# Altium PCB fpga.PcbDoc (part 3 of 11)
Units mm, origin at the board's own origin, x right, y up, seen from the top; angles counter-clockwise.
Board outline 210 x 210 mm, 2 copper layers (Top Layer, Bottom Layer), stack 1.591 mm thick; 639 components, 1839 nets, 4759 pads, 4016 vias.
Unrouted connection lines stored in the file: 10.
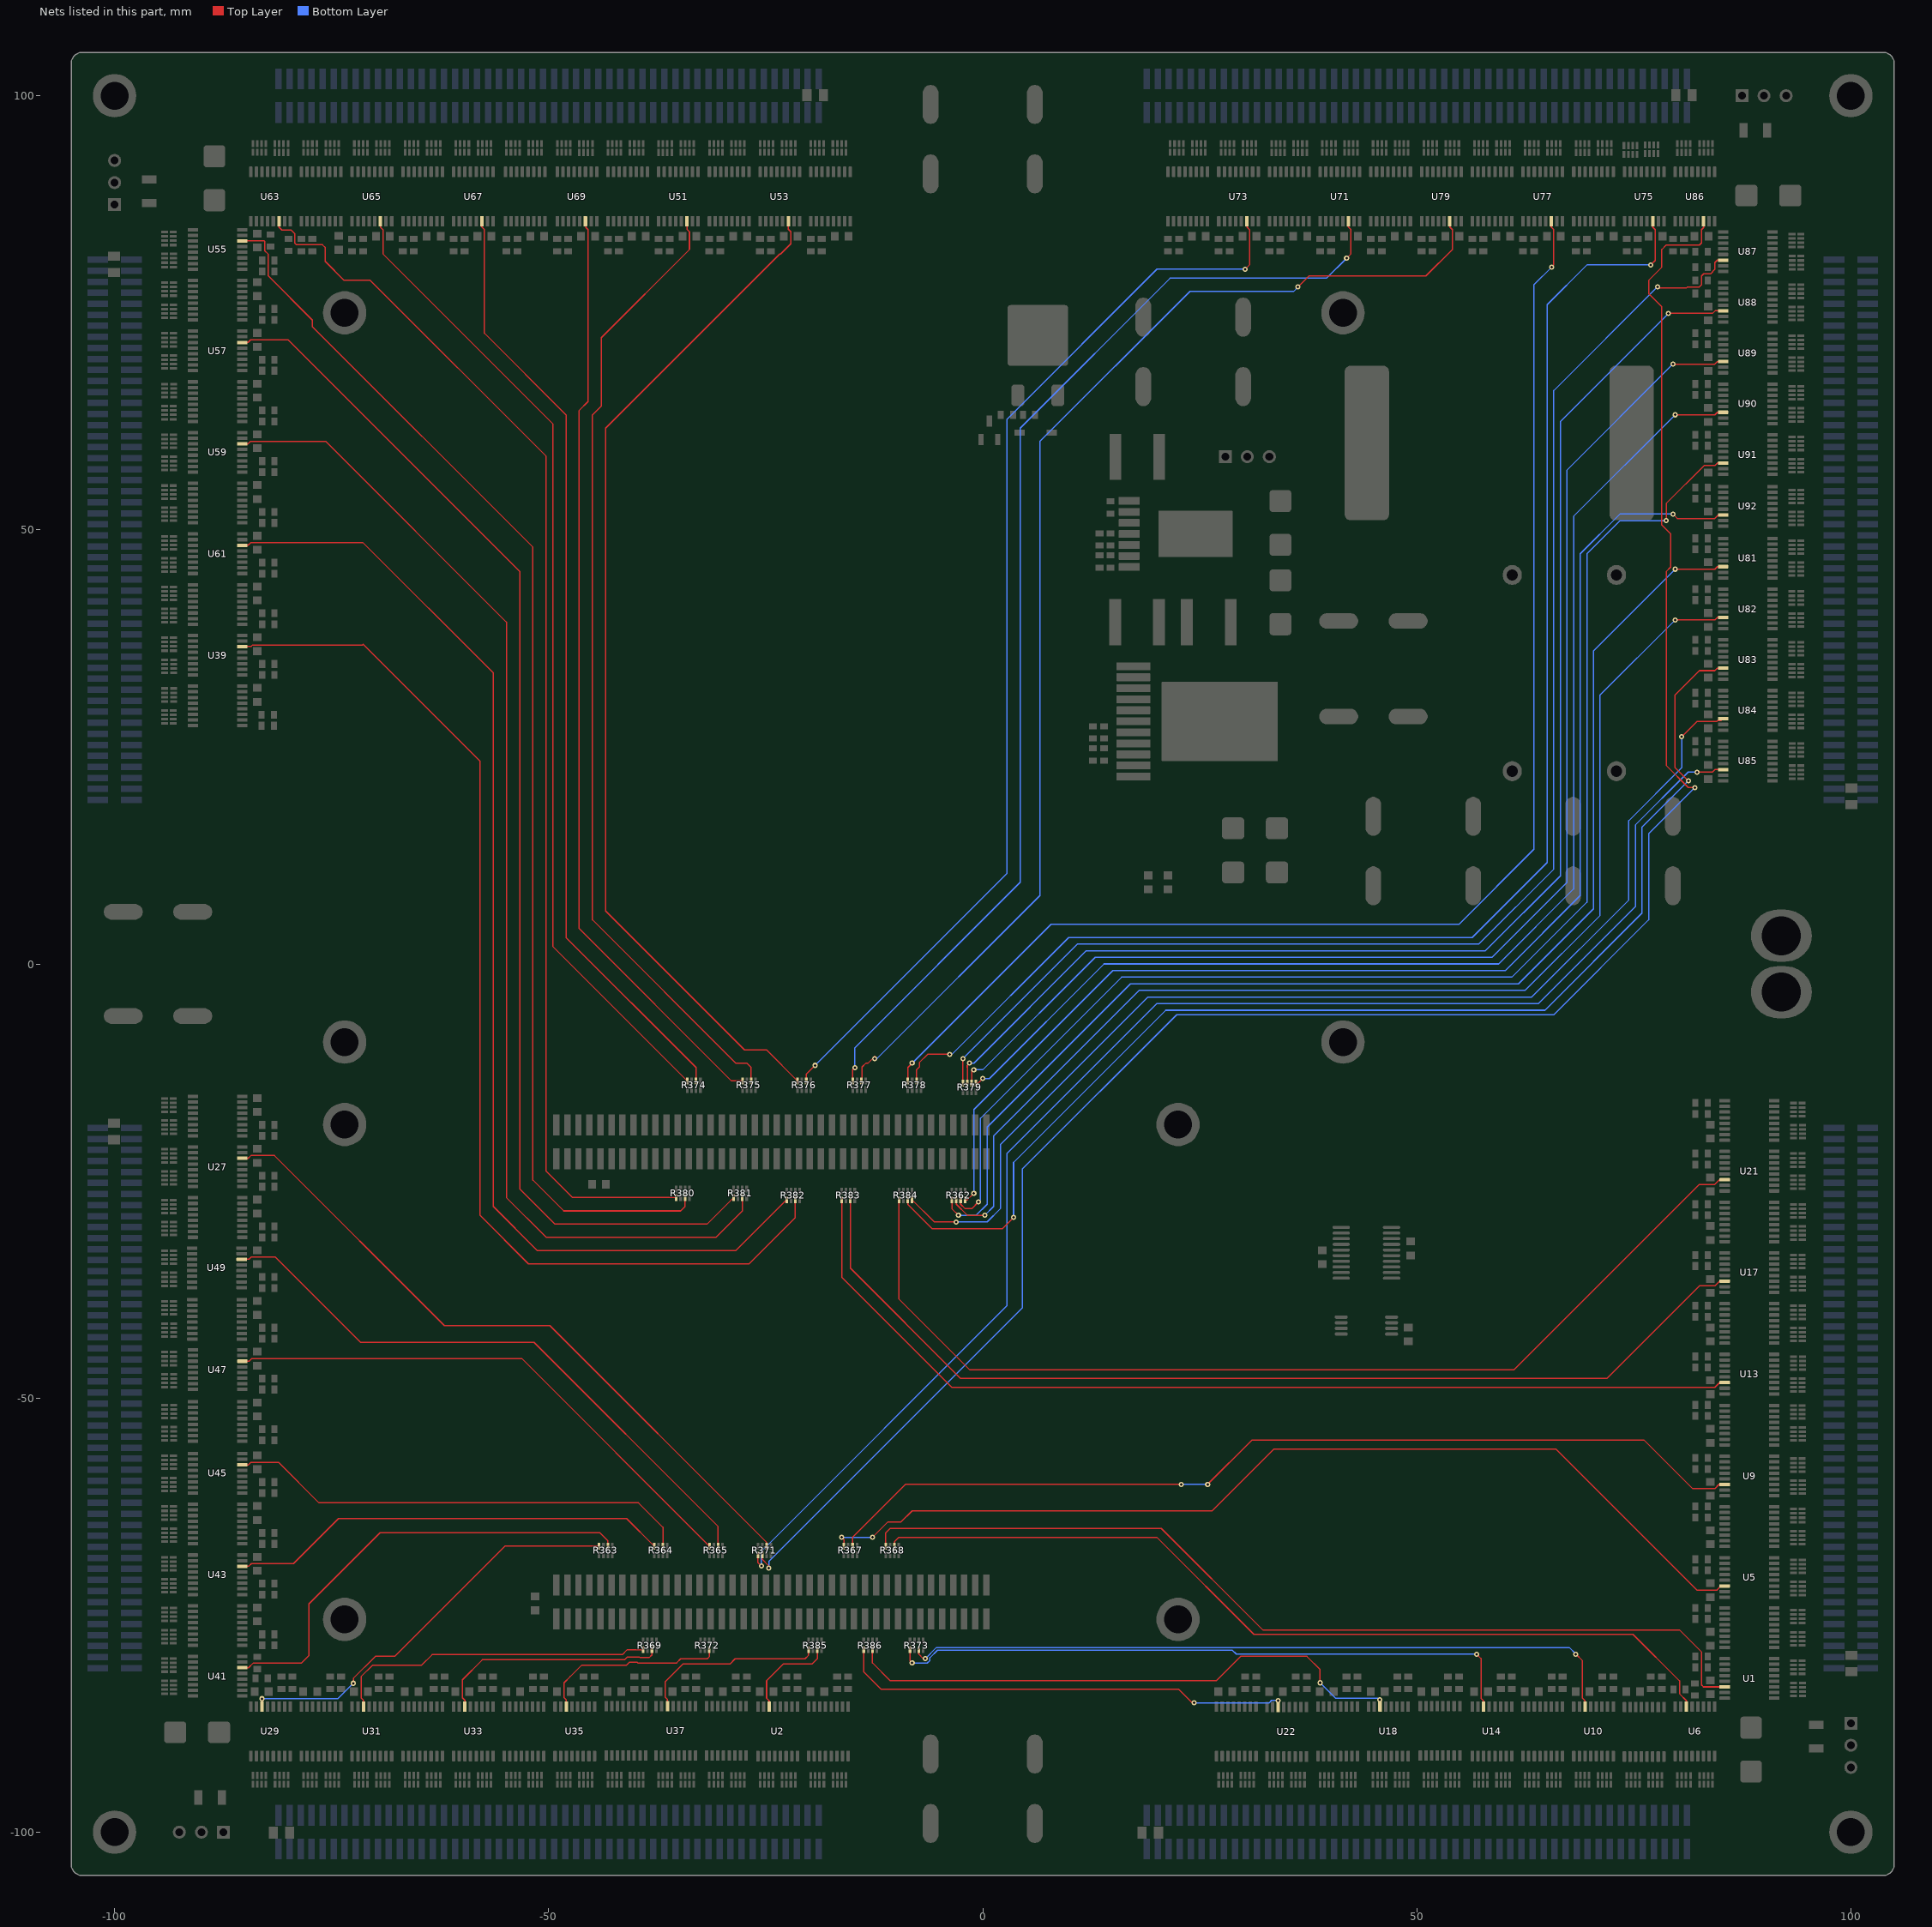
[diagram p3: the nets of this part, all layers, seen from the top]

## Via types
v1: diameter 0.6, hole 0.3, Top Layer to Bottom Layer, tented both sides, 3924 vias
v2: diameter 0.8, hole 0.4, Top Layer to Bottom Layer, tented both sides, 89 vias
v3: diameter 0.6, hole 0.3, Top Layer to Bottom Layer, 3 vias

## Nets (pads, with @x,y where several pads share a name; then routed paths per layer and width w, separated by ;. In a path a pad name is that pad's centre, name@x,y a point inside that pad or via, vN(x,y) a via of type N, cw(c..) or ccw(c..) an arc to the next point about the centre after c; other vN are vias at no path point) (continued)
D_EN40: R371.2 U86.14 | length 234.6
  Top Layer w0.15: R371.2@-25.396,-68.064 -25.396,-68.584 -24.638,-69.342 v1(-24.638,-69.596) ; v1(82.042,20.32) 81.28,20.32 78.74,22.86 78.74,45.192 79.248,45.7 79.248,49.53 78.215,50.563 78.215,51.271 78.232,51.288 78.232,75.692 76.708,77.216 76.708,78.74 78.232,80.264 78.232,82.296 78.74,82.804 81.262,82.804 81.283,82.825 81.717,82.825 81.738,82.804 82.55,82.804 82.804,83.058 82.804,84.582 83.058,84.836 83.058,85.501 U86.14@83.017,85.542
  Bottom Layer w0.15: v1(-24.638,-69.596) -24.638,-68.834 4.572,-39.624 4.572,-23.622 22.352,-5.842 65.786,-5.842 76.708,5.08 76.708,14.986 v1(82.042,20.32)
D_EN41: R384.8 U84.14 | length 130.2
  Top Layer w0.15: R384.8@-8.14,-27.17 -5.592,-29.718 v1(-3.048,-29.718) ; v1(80.518,26.162) 82.296,27.94 84.554,27.94 84.624,28.01 85.063,28.01 U84.14@85.288,28.235
  Bottom Layer w0.15: v1(-3.048,-29.718) 0.508,-29.718 2.032,-28.194 2.032,-20.828 19.05,-3.81 63.246,-3.81 74.422,7.366 74.422,16.51 80.518,22.606 v1(80.518,26.162)
D_EN42: R362.6 U82.14 | length 137.5
  Top Layer w0.15: R362.6@-3.044,-27.17 -3.044,-27.69 -1.778,-28.956 v1(0.254,-28.956) ; v1(79.756,39.624) 84.328,39.624 84.623,39.919 U82.14@85.288,39.919
  Bottom Layer w0.15: v1(0.254,-28.956) 1.27,-27.94 1.27,-19.812 18.034,-3.048 62.484,-3.048 71.12,5.588 71.12,30.988 v1(79.756,39.624)
D_EN43: R362.8 U92.14 | length 149.2
  Top Layer w0.15: R362.8@-2.044,-27.17 -1.77,-27.17 v1(-1.016,-26.416) ; v1(79.502,51.816) 80.01,51.308 84.328,51.308 84.75,51.73 U92.14@85.288,51.73
  Bottom Layer w0.15: v1(-1.016,-26.416) -1.016,-16.764 14.986,-0.762 60.198,-0.762 68.834,7.874 68.834,47.244 73.406,51.816 v1(79.502,51.816)
D_EN44: R379.5 U90.14 | length 143.2
  Top Layer w0.15: R379.5@-0.774,-13.724 -0.516,-13.724 v1(0,-13.208) ; v1(79.756,63.246) 84.328,63.246 84.623,63.541 U90.14@85.288,63.541
  Bottom Layer w0.15: v1(0,-13.208) 0.762,-13.208 13.97,0 59.436,0 68.072,8.636 68.072,51.562 v1(79.756,63.246)
D_EN45: R379.7 U88.14 | length 155.8
  Top Layer w0.15: R379.7@-1.774,-13.724 -1.774,-11.942 -1.778,-11.938 -1.778,-11.684 v1(-1.524,-11.43) ; v1(78.994,74.93) 84.074,74.93 84.369,75.225 U88.14@85.288,75.225
  Bottom Layer w0.15: v1(-1.524,-11.43) -1.016,-11.43 11.938,1.524 57.912,1.524 66.548,10.16 66.548,62.484 v1(78.994,74.93)
D_SIG1: R384.5 U21.14 | length 119
  Top Layer w0.15: R384.5@-9.64,-27.17 -9.64,-38.62 -1.524,-46.736 61.214,-46.736 82.55,-25.4 84.328,-25.4 84.836,-24.892 85.429,-24.892 U21.14@85.47,-24.851
D_SIG2: R383.7 U17.14 | length 118.5
  Top Layer w0.15: R383.7@-15.244,-27.17 -15.244,-35.048 -2.54,-47.752 71.882,-47.752 82.55,-37.084 84.328,-37.084 84.877,-36.535 U17.14@85.47,-36.535
D_SIG3: R383.5 U13.14 | length 116.1
  Top Layer w0.15: R383.5@-16.244,-27.17 -16.244,-36.08 -3.556,-48.768 84.328,-48.768 84.877,-48.219 U13.14@85.47,-48.219
D_SIG4: R367.6 U9.14 | length 108
  Top Layer w0.15: R367.6@-14.99,-67.064 -14.99,-66.044 -8.89,-59.944 v1(22.86,-59.944) ; v1(25.908,-59.944) 30.988,-54.864 76.2,-54.864 81.788,-60.452 84.328,-60.452 84.836,-59.944
  Bottom Layer w0.15: v1(22.86,-59.944) v1(25.908,-59.944)
D_SIG5: R367.8 U5.14 | length 114
  Top Layer w0.15: v1(-16.256,-66.04) -15.99,-66.306 R367.8@-15.99,-67.064 ; v1(-12.7,-66.04) -10.922,-64.262 -9.398,-64.262 -8.128,-62.992 26.416,-62.992 33.528,-55.88 66.04,-55.88 82.296,-72.136 84.582,-72.136 84.645,-72.073 84.645,-72.031 85.031,-71.645 U5.14@85.47,-71.645
  Bottom Layer w0.15: v1(-16.256,-66.04) v1(-12.7,-66.04)
D_SIG6: R368.8 U1.14 | length 108.2
  Top Layer w0.15: R368.8@-11.164,-67.064 -11.164,-65.544 -11.176,-65.532 -10.668,-65.024 20.574,-65.024 32.258,-76.708 80.264,-76.708 82.821,-79.265 82.821,-82.259 82.804,-82.276 82.804,-83.058 83.017,-83.271 U1.14@85.47,-83.271
D_SIG7: R386.5 U22.14 | length 51.9
  Top Layer w0.15: R386.5@-13.704,-78.986 -13.704,-81.546 -11.684,-83.566 22.606,-83.566 24.155,-85.115 v1(24.359,-85.115)
  Bottom Layer w0.15: v1(24.359,-85.115) 32.995,-85.115 33.274,-84.836 v1(34.036,-84.836)
D_SIG8: R386.7 U18.14 | length 64.9
  Top Layer w0.15: R386.7@-12.704,-78.986 -12.704,-80.514 -10.668,-82.55 26.924,-82.55 29.718,-79.756 37.338,-79.756 38.862,-81.28 v1(38.862,-82.804)
  Bottom Layer w0.15: v1(38.862,-82.804) 40.64,-84.582 45.466,-84.582 45.654,-84.77 v1(45.746,-84.77)
D_SIG9: R373.5 U14.14 | length 74
  Top Layer w0.15: R373.5@-8.37,-78.986 -8.37,-80.276 v1(-8.128,-80.518) ; v1(56.896,-79.502) 57.404,-80.01 57.404,-84.582 57.699,-84.877 U14.14@57.699,-85.542
  Bottom Layer w0.15: v1(-8.128,-80.518) -6.838,-80.518 -6.821,-80.535 -6.387,-80.535 -6.079,-80.227 -6.079,-79.909 -5.21,-79.04 28.748,-79.04 29.21,-79.502 v1(56.896,-79.502)
D_SIG10: R373.7 U10.14 | length 83.7
  Top Layer w0.15: R373.7@-7.37,-78.986 -7.37,-79.498 -6.858,-80.01 v1(-6.604,-80.01) ; v1(68.326,-79.502) 69.088,-80.264 69.088,-84.582 69.383,-84.877 U10.14@69.383,-85.542
  Bottom Layer w0.15: v1(-6.604,-80.01) -5.334,-78.74 67.564,-78.74 v1(68.326,-79.502)
D_SIG11: R368.6 U6.14 | length 101.3
  Top Layer w0.15: R368.6@-10.164,-67.064 -10.164,-66.552 -9.652,-66.04 20.066,-66.04 31.242,-77.216 74.91,-77.216 80.264,-82.57 80.264,-84.074 81.067,-84.877 U6.14@81.067,-85.542
D_SIG12: R385.7 U2.14 | length 11
  Top Layer w0.15: U2.14@-24.597,-85.542 -24.597,-84.877 -24.892,-84.582 -24.892,-82.55 -22.987,-80.645 -19.685,-80.645 -19.05,-80.01 -19.054,-80.006 R385.7@-19.054,-78.986
D_SIG13: R385.5 U37.14 | length 21.3
  Top Layer w0.15: U37.14@-36.322,-85.486 -36.322,-84.709 -36.576,-84.455 -36.576,-82.677 -34.544,-80.645 -29.126,-80.645 -28.526,-80.045 -20.482,-80.045 -20.054,-79.617 R385.5@-20.054,-78.986
D_SIG14: R372.7 U35.14 | length 21.7
  Top Layer w0.15: U35.14@-47.965,-85.542 -48.006,-85.501 -48.006,-84.734 -48.235,-84.506 -48.235,-82.804 -47.515,-82.084 -47.515,-82.079 -46.191,-80.755 -41.022,-80.755 -40.722,-80.455 -39.776,-80.455 -39.72,-80.511 -35.259,-80.511 -34.793,-80.045 -31.734,-80.045 -31.5,-79.811 R372.7@-31.5,-78.986
D_SIG15: R369.7 U33.14 | length 26.9
  Top Layer w0.15: U33.14@-59.649,-85.542 -59.649,-84.826 -59.944,-84.531 -59.944,-82.448 -57.651,-80.155 -41.27,-80.155 -40.97,-79.855 -39.527,-79.855 -39.471,-79.911 -38.433,-79.911 -38.104,-79.582 R369.7@-38.104,-78.986
D_SIG16: R369.5 U31.14 | length 37.3
  Top Layer w0.15: U31.14@-71.333,-85.542 -71.333,-84.801 -71.603,-84.531 -71.603,-82.093 -70.265,-80.755 -64.618,-80.755 -63.418,-79.555 -41.519,-79.555 -40.95,-78.986 R369.5@-39.104,-78.986
D_SIG17: R363.8 U29.14 | length 47.4
  Top Layer w0.15: v1(-83.033,-84.633) -83.017,-84.648 U29.14@-83.017,-85.542 ; v1(-72.492,-82.855) -72.492,-82.296 -69.952,-79.756 -67.742,-79.756 -55.05,-67.064 R363.8@-44.184,-67.064
  Bottom Layer w0.15: v1(-83.033,-84.633) -74.27,-84.633 v1(-72.492,-82.855)
D_SIG18: R371.6 U27.14 | length 79.4
  Top Layer w0.15: U27.14@-85.288,-22.393 -84.623,-22.393 -84.303,-22.073 -81.585,-22.073 -62.001,-41.656 -49.86,-41.656 -24.896,-66.62 R371.6@-24.896,-67.064
D_SIG19: R365.6 U49.14 | length 70.1
  Top Layer w0.15: U49.14@-85.364,-34.026 -84.521,-34.026 -84.252,-33.757 -81.483,-33.757 -71.653,-43.586 -51.689,-43.586 -30.484,-64.791 R365.6@-30.484,-67.064
D_SIG20: R365.8 U47.14 | length 62.9
  Top Layer w0.15: U47.14@-85.288,-45.761 -84.496,-45.761 -84.176,-45.441 -53.107,-45.441 R365.8@-31.484,-67.064
D_SIG21: R364.6 U45.14 | length 53.8
  Top Layer w0.15: U45.14@-85.288,-57.699 -84.572,-57.699 -84.277,-57.404 -81.128,-57.404 -76.454,-62.078 -39.649,-62.078 -36.834,-64.893 R364.6@-36.834,-67.064
D_SIG22: R364.8 U43.14 | length 51.1
  Top Layer w0.15: U43.14@-85.288,-69.383 -84.547,-69.383 -84.226,-69.063 -79.4,-69.063 -74.219,-63.881 -41.017,-63.881 R364.8@-37.834,-67.064
D_SIG23: R363.6 U41.14 | length 53.1
  Top Layer w0.15: U41.14@-85.288,-81.067 -84.572,-81.067 -84.023,-80.518 -78.461,-80.518 -77.622,-79.68 -77.622,-73.711 -69.418,-65.507 -44.094,-65.507 -43.184,-66.417 R363.6@-43.184,-67.064
D_SIG24: R382.7 U39.14 | length 128.3
  Top Layer w0.15: U39.14@-85.288,36.535 -85.247,36.576 -84.288,36.576 -84.159,36.705 -71.499,36.705 -71.374,36.83 -57.912,23.368 -57.912,-28.956 -52.324,-34.544 -26.924,-34.544 -21.594,-29.214 R382.7@-21.594,-27.17
D_SIG25: R382.5 U61.14 | length 135
  Top Layer w0.15: U61.14@-85.288,48.219 -84.623,48.219 -84.328,48.514 -71.374,48.514 -56.388,33.528 -56.388,-27.94 -51.308,-33.02 -28.444,-33.02 R382.5@-22.594,-27.17
D_SIG26: R381.7 U59.14 | length 137.3
  Top Layer w0.15: U59.14@-85.288,59.903 -84.623,59.903 -84.328,60.198 -75.692,60.198 -54.864,39.37 -54.864,-26.924 -50.292,-31.496 -30.734,-31.496 -27.69,-28.452 R381.7@-27.69,-26.916
D_SIG27: R381.5 U57.14 | length 141.8
  Top Layer w0.15: U57.14@-85.288,71.587 -84.623,71.587 -84.328,71.882 -80.01,71.882 -53.34,45.212 -53.34,-25.908 -49.276,-29.972 -31.746,-29.972 R381.5@-28.69,-26.916
D_SIG28: R380.7 U55.14 | length 143.8
  Top Layer w0.15: U55.14@-85.288,83.271 -85.247,83.312 -82.804,83.312 -82.717,83.225 -82.717,82.169 -82.296,81.748 -82.296,79.248 -77.216,74.168 -77.216,73.406 -51.816,48.006 -51.816,-24.892 -48.26,-28.448 -34.798,-28.448 -34.294,-27.944 R380.7@-34.294,-26.916
D_SIG29: R376.8 U53.14 | length 118.7
  Top Layer w0.15: U53.14@-22.393,85.542 -22.393,84.623 -22.098,84.328 -22.098,82.956 -23.283,81.771 -23.385,81.771 -43.434,61.722 -43.434,6.096 -27.432,-9.906 -24.888,-9.906 R376.8@-21.324,-13.47
D_SIG30: R375.6 U51.14 | length 112.1
  Top Layer w0.15: U51.14@-34.077,85.542 -34.077,84.623 -33.782,84.328 -33.782,82.296 -43.942,72.136 -43.942,64.262 -44.958,63.246 -44.958,5.08 -28.448,-11.43 -27.178,-11.43 -26.674,-11.934 R375.6@-26.674,-13.47
D_SIG31: R375.8 U69.14 | length 108.1
  Top Layer w0.15: U69.14@-45.761,85.542 -45.761,85.131 -45.72,85.09 -45.72,84.836 -45.466,84.582 -45.466,64.77 -46.482,63.754 -46.482,4.064 -28.948,-13.47 R375.8@-27.674,-13.47
D_SIG32: R374.6 U67.14 | length 109.2
  Top Layer w0.15: U67.14@-57.699,85.542 -57.699,84.877 -57.404,84.582 -57.404,72.644 -48.006,63.246 -48.006,3.048 -33.024,-11.934 R374.6@-33.024,-13.47
D_SIG33: R374.8 U65.14 | length 113.7
  Top Layer w0.15: U65.14@-69.383,85.542 -69.383,84.877 -69.088,84.582 -69.088,81.788 -49.53,62.23 -49.53,2.036 R374.8@-34.024,-13.47
D_SIG34: R380.5 U63.14 | length 142.6
  Top Layer w0.15: U63.14@-81.067,85.542 -81.067,84.897 -81.077,84.887 -80.721,84.531 -79.665,84.531 -79.223,84.089 -79.223,83.007 -79.045,82.829 -76.05,82.829 -75.745,82.525 -75.745,80.927 -73.558,78.74 -70.561,78.74 -50.292,58.471 -50.292,-23.876 -47.252,-26.916 R380.5@-35.294,-26.916
D_SIG35: R376.6 U73.14 | length 126.2
  Top Layer w0.15: R376.6@-20.324,-13.47 -20.324,-12.704 v1(-19.304,-11.684) ; v1(30.226,80.01) 30.734,80.518 30.734,84.582 30.439,84.877 U73.14@30.439,85.542
  Bottom Layer w0.15: v1(-19.304,-11.684) 2.794,10.414 2.794,62.738 20.083,80.027 30.209,80.027 v1(30.226,80.01)
D_SIG36: R377.8 U71.14 | length 133.5
  Top Layer w0.15: R377.8@-14.974,-13.47 -14.974,-12.18 v1(-14.732,-11.938) ; v1(41.91,81.28) 42.418,81.788 42.418,84.582 42.123,84.877 U71.14@42.123,85.542
  Bottom Layer w0.15: v1(-14.732,-11.938) -14.732,-9.652 4.318,9.398 4.318,61.722 21.573,78.977 25.109,78.977 25.126,78.994 39.624,78.994 v1(41.91,81.28)
D_SIG37: R377.6 U79.14 | length 143
  Top Layer w0.15: R377.6@-13.974,-13.47 -13.907,-13.403 -13.907,-11.875 -13.445,-11.413 -13.191,-11.413 -12.446,-10.668 v1(-12.446,-10.922) ; v1(36.322,77.978) 37.592,79.248 51.054,79.248 54.102,82.296 54.102,84.582 53.807,84.877 U79.14@53.807,85.542
  Bottom Layer w0.15: v1(-12.446,-10.922) -12.192,-10.922 6.604,7.874 6.604,60.198 23.876,77.47 35.072,77.47 35.089,77.453 35.797,77.453 v1(36.322,77.978)
D_SIG38: R378.8 U77.14 | length 157.5
  Top Layer w0.15: R378.8@-8.624,-13.47 -8.624,-11.926 v1(-8.128,-11.43) ; U77.14@65.491,85.542 65.491,84.877 65.786,84.582 65.786,80.518 v1(65.532,80.264)
  Bottom Layer w0.15: v1(-8.128,-11.43) 7.874,4.572 54.864,4.572 63.5,13.208 63.5,78.232 v1(65.532,80.264)
D_SIG39: R378.6 U75.14 | length 167.6
  Top Layer w0.15: R378.6@-7.624,-13.47 -7.624,-12.196 -7.303,-11.875 -7.303,-11.367 -6.35,-10.414 v1(-3.81,-10.414) ; v1(76.962,80.518) 77.47,81.026 77.47,84.582 77.175,84.877 U75.14@77.175,85.542
  Bottom Layer w0.15: v1(-3.81,-10.414) -3.556,-10.414 9.906,3.048 56.388,3.048 65.024,11.684 65.024,75.946 69.596,80.518 v1(76.962,80.518)
D_SIG40: R371.1 U85.14 | length 167
  Top Layer w0.15: R371.1@-25.896,-68.064 -25.896,-68.94 v1(-25.494,-69.342) ; v1(82.296,22.098) 84.074,22.098 84.369,22.393 U85.14@85.288,22.393
  Bottom Layer w0.15: v1(-25.494,-69.342) -25.494,-67.658 2.794,-39.37 2.794,-21.844 20.066,-4.572 64.008,-4.572 75.184,6.604 75.184,16.002 81.28,22.098 v1(82.296,22.098)
D_SIG41: R384.7 U83.14 | length 139.8
  Top Layer w0.15: R384.7@-8.64,-27.17 -8.64,-27.682 -5.842,-30.48 2.286,-30.48 v1(3.556,-29.21) ; v1(81.28,21.082) 79.756,22.606 79.756,30.988 82.55,33.782 84.328,33.782 84.623,34.077 U83.14@85.288,34.077
  Bottom Layer w0.15: v1(3.556,-29.21) 3.556,-22.86 21.082,-5.334 64.77,-5.334 75.946,5.842 75.946,15.748 v1(81.28,21.082)
D_SIG42: R362.5 U81.14 | length 143.7
  Top Layer w0.15: R362.5@-3.544,-27.17 -3.544,-28.206 v1(-2.794,-28.956) ; v1(79.756,45.466) 84.328,45.466 84.623,45.761 U81.14@85.288,45.761
  Bottom Layer w0.15: v1(-2.794,-28.956) -0.762,-28.956 0.508,-27.686 0.508,-18.796 17.018,-2.286 61.722,-2.286 70.358,6.35 70.358,36.068 v1(79.756,45.466)
D_SIG43: R362.7 U91.14 | length 154.3
  Top Layer w0.15: R362.7@-2.544,-27.17 -2.544,-27.682 -2.032,-28.194 -1.27,-28.194 v1(-0.508,-27.432) ; v1(78.74,51.054) 78.74,53.046 83.098,57.404 84.328,57.404 84.623,57.699 U91.14@85.288,57.699
  Bottom Layer w0.15: v1(-0.508,-27.432) -0.254,-27.178 -0.254,-17.78 16.002,-1.524 60.96,-1.524 69.596,7.112 69.596,47.244 73.406,51.054 v1(78.74,51.054)
D_SIG44: R379.6 U89.14 | length 149.7
  Top Layer w0.15: R379.6@-1.274,-13.724 -1.274,-12.196 -1.27,-12.192 v1(-1.016,-12.192) ; v1(79.502,69.088) 84.328,69.088 84.623,69.383 U89.14@85.288,69.383
  Bottom Layer w0.15: v1(-1.016,-12.192) 0,-12.192 12.954,0.762 58.674,0.762 67.31,9.398 67.31,56.896 v1(79.502,69.088)
D_SIG45: R379.8 U87.14 | length 162
  Top Layer w0.15: v1(-2.286,-10.922) -2.274,-10.934 R379.8@-2.274,-13.724 ; v1(77.724,77.978) 77.724,77.878 81.085,77.878 81.183,77.975 81.617,77.975 81.62,77.978 82.55,77.978 82.804,78.232 82.804,79.248 83.058,79.502 83.86,79.502 84.079,79.721 84.079,79.761 84.328,80.01 84.328,80.772 84.623,81.067 U87.14@85.288,81.067
  Bottom Layer w0.15: v1(-2.286,-10.922) 10.922,2.286 57.15,2.286 65.786,10.922 65.786,66.04 v1(77.724,77.978)